# Altium PCB UVM AERO BSPD.PcbDoc (part 1 of 2)
Units mil, origin at the board's own origin, x right, y up, seen from the top; angles counter-clockwise.
Board outline 3235 x 3490 mil, 2 copper layers (Top Layer, Bottom Layer), stack 60.8 mil thick; 126 components, 66 nets, 329 pads, 91 vias.
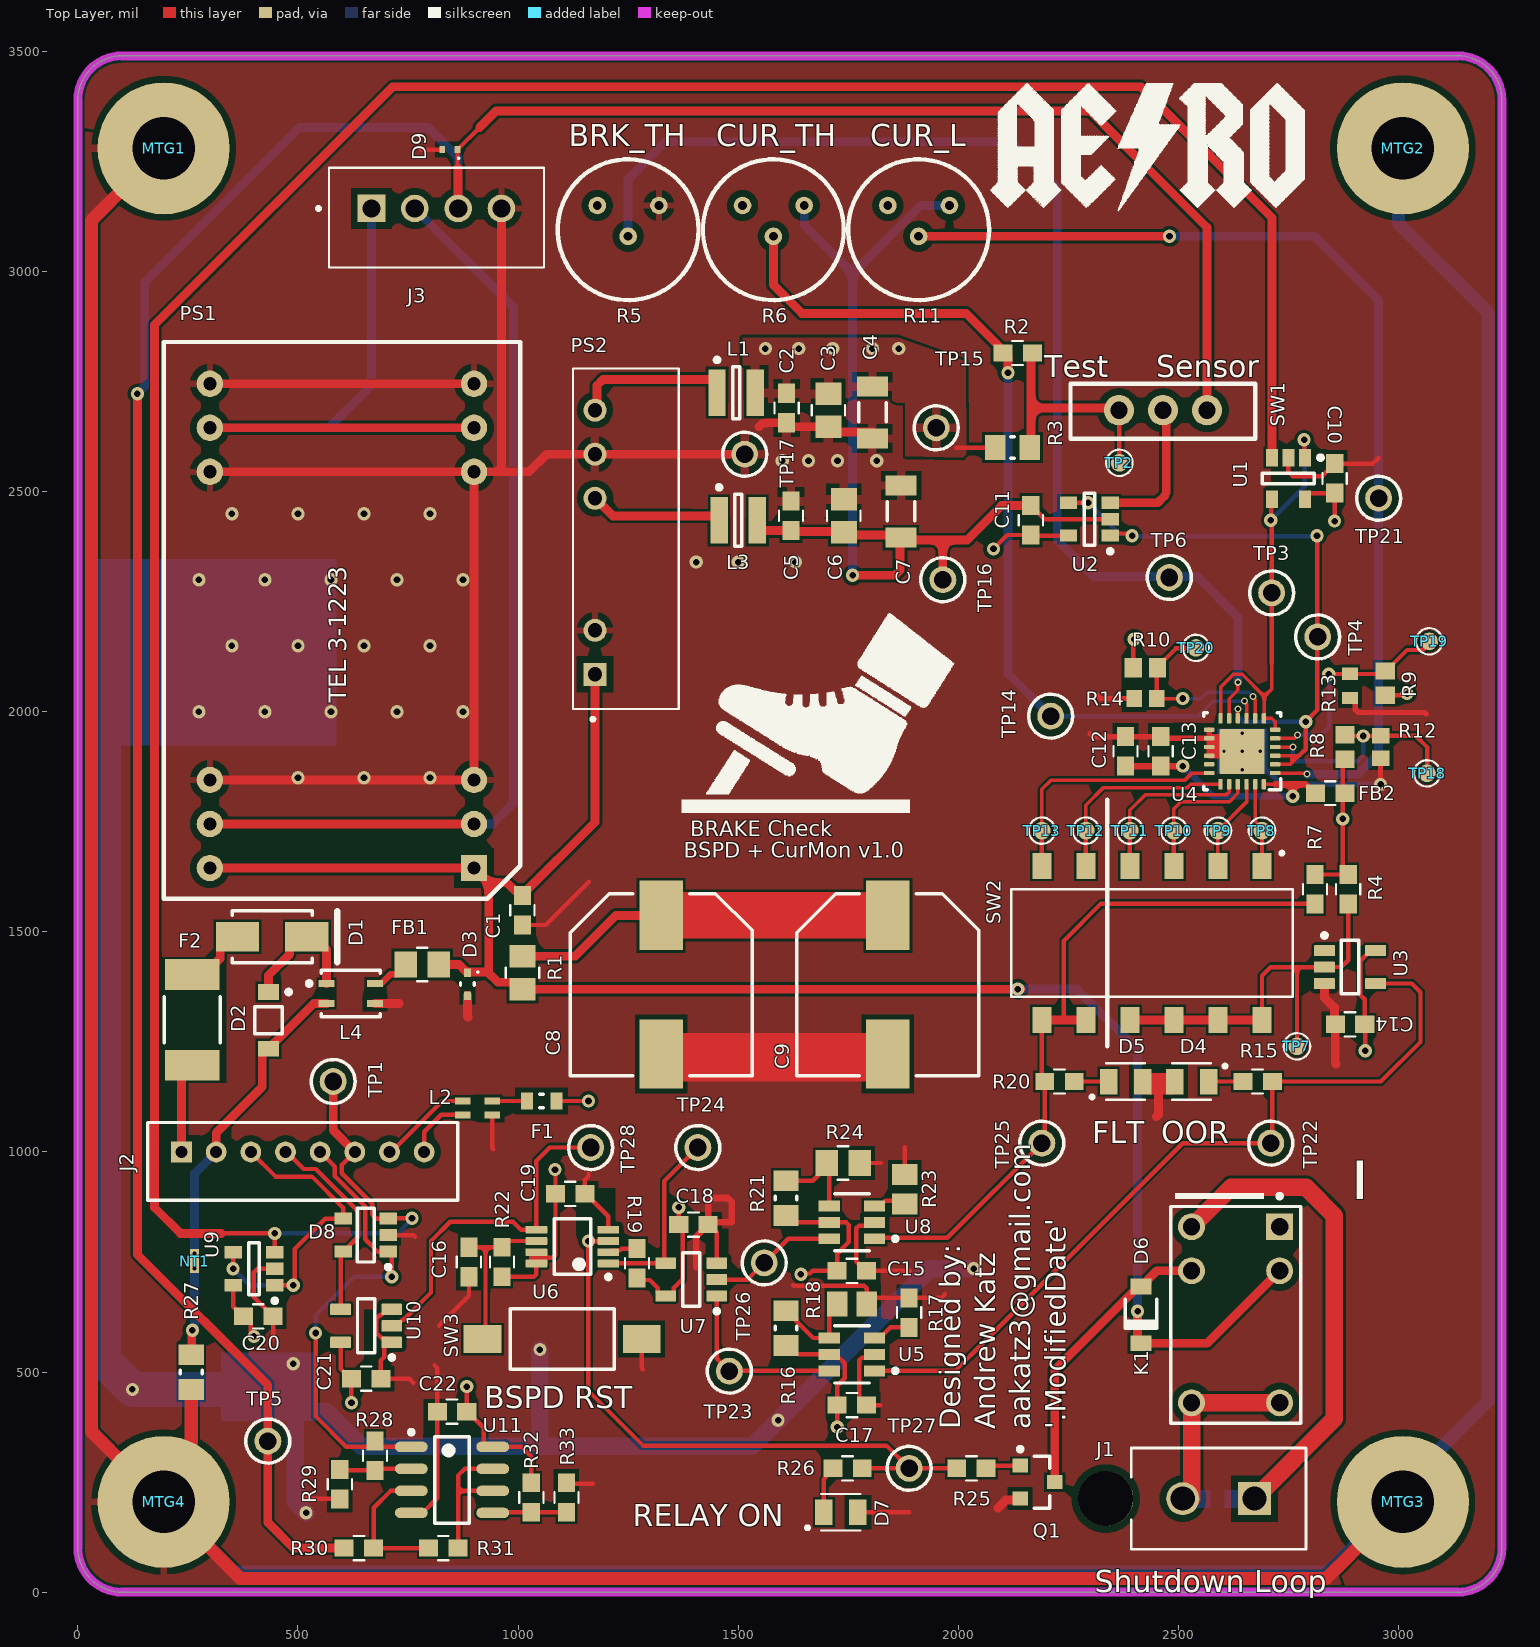
[diagram p0: Top Layer view]
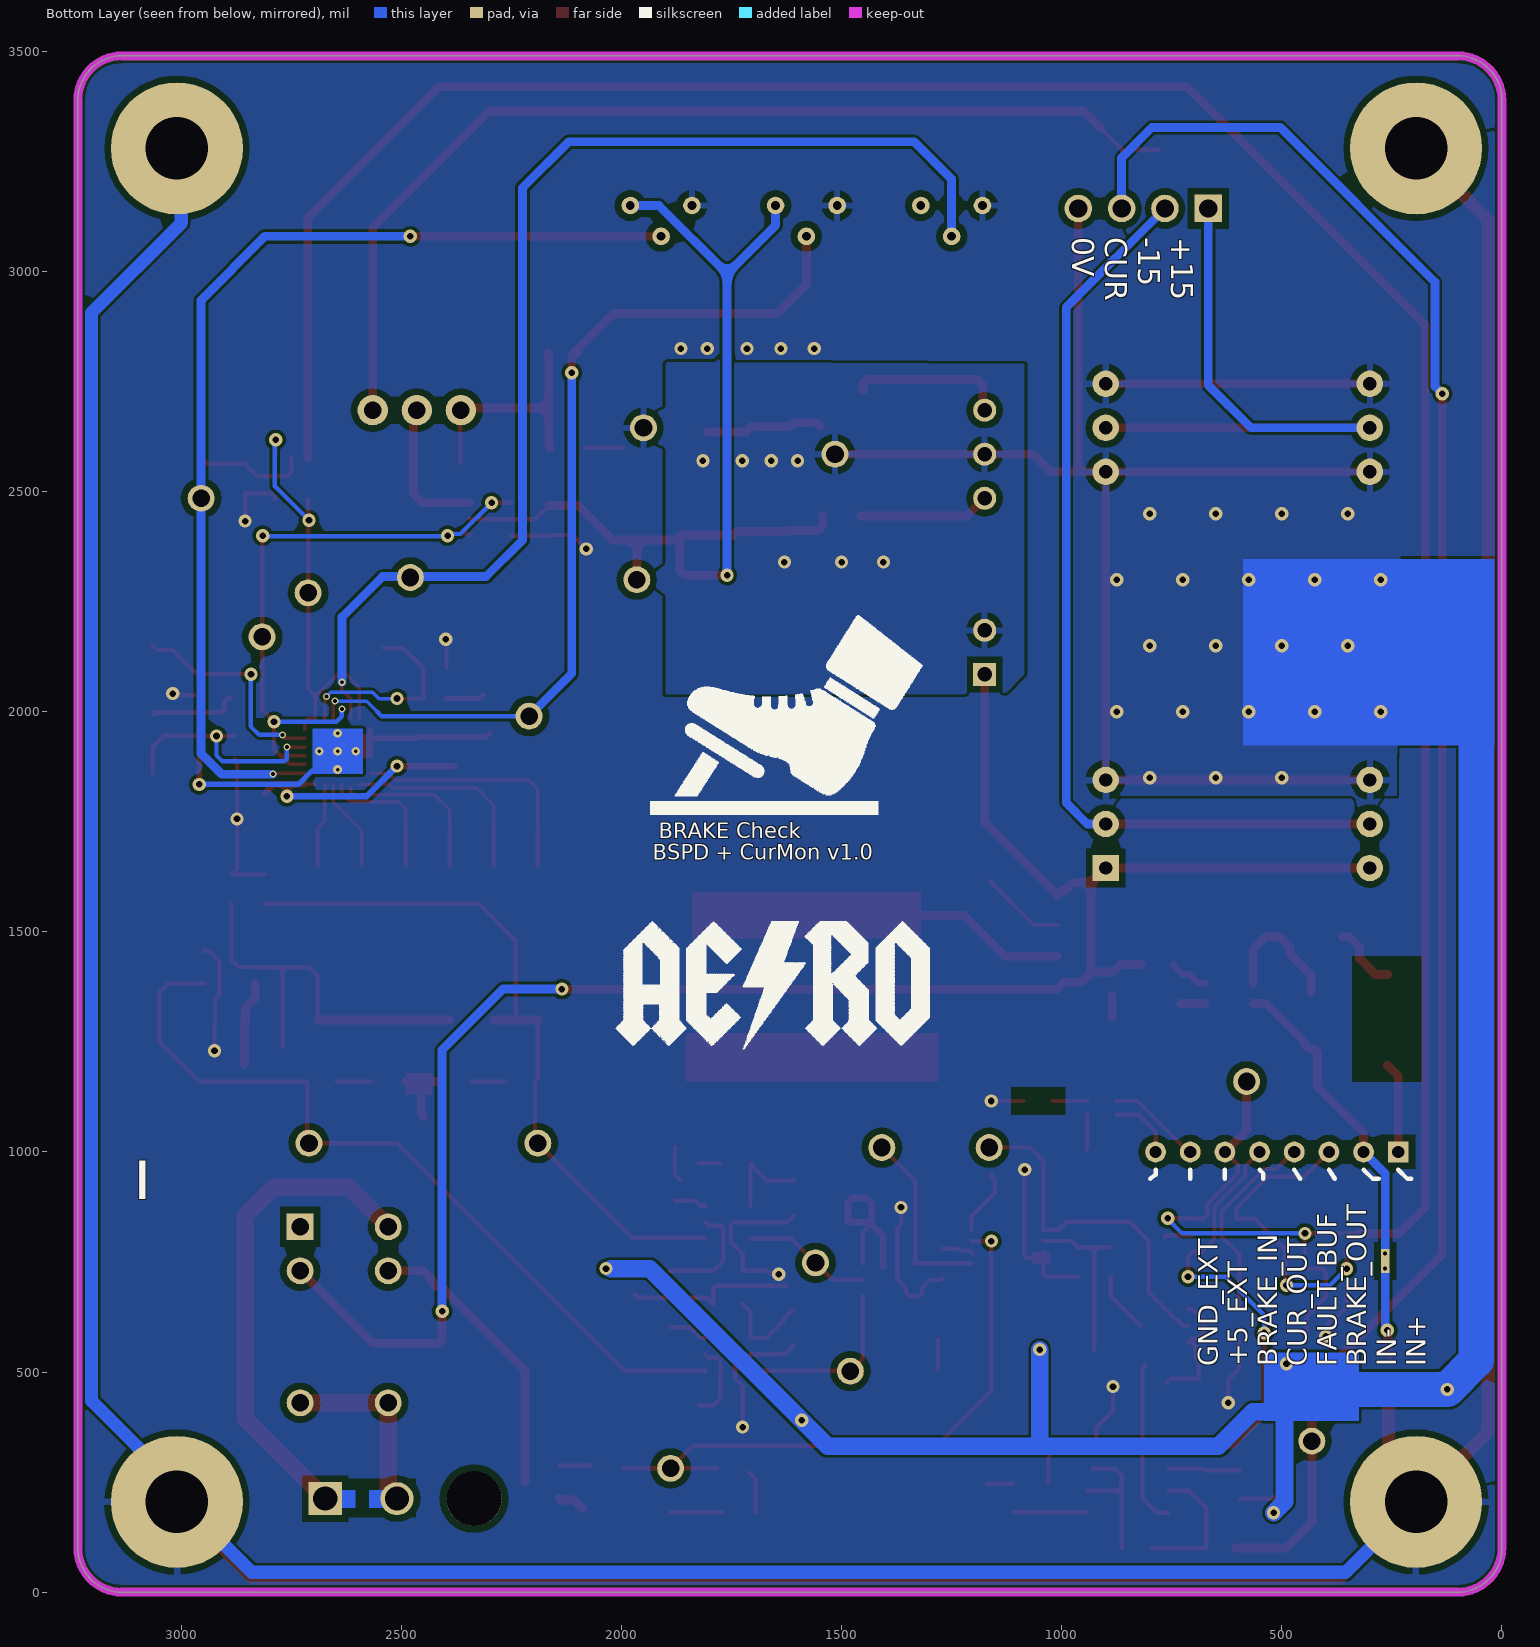
[diagram p1: Bottom Layer view, seen from below]
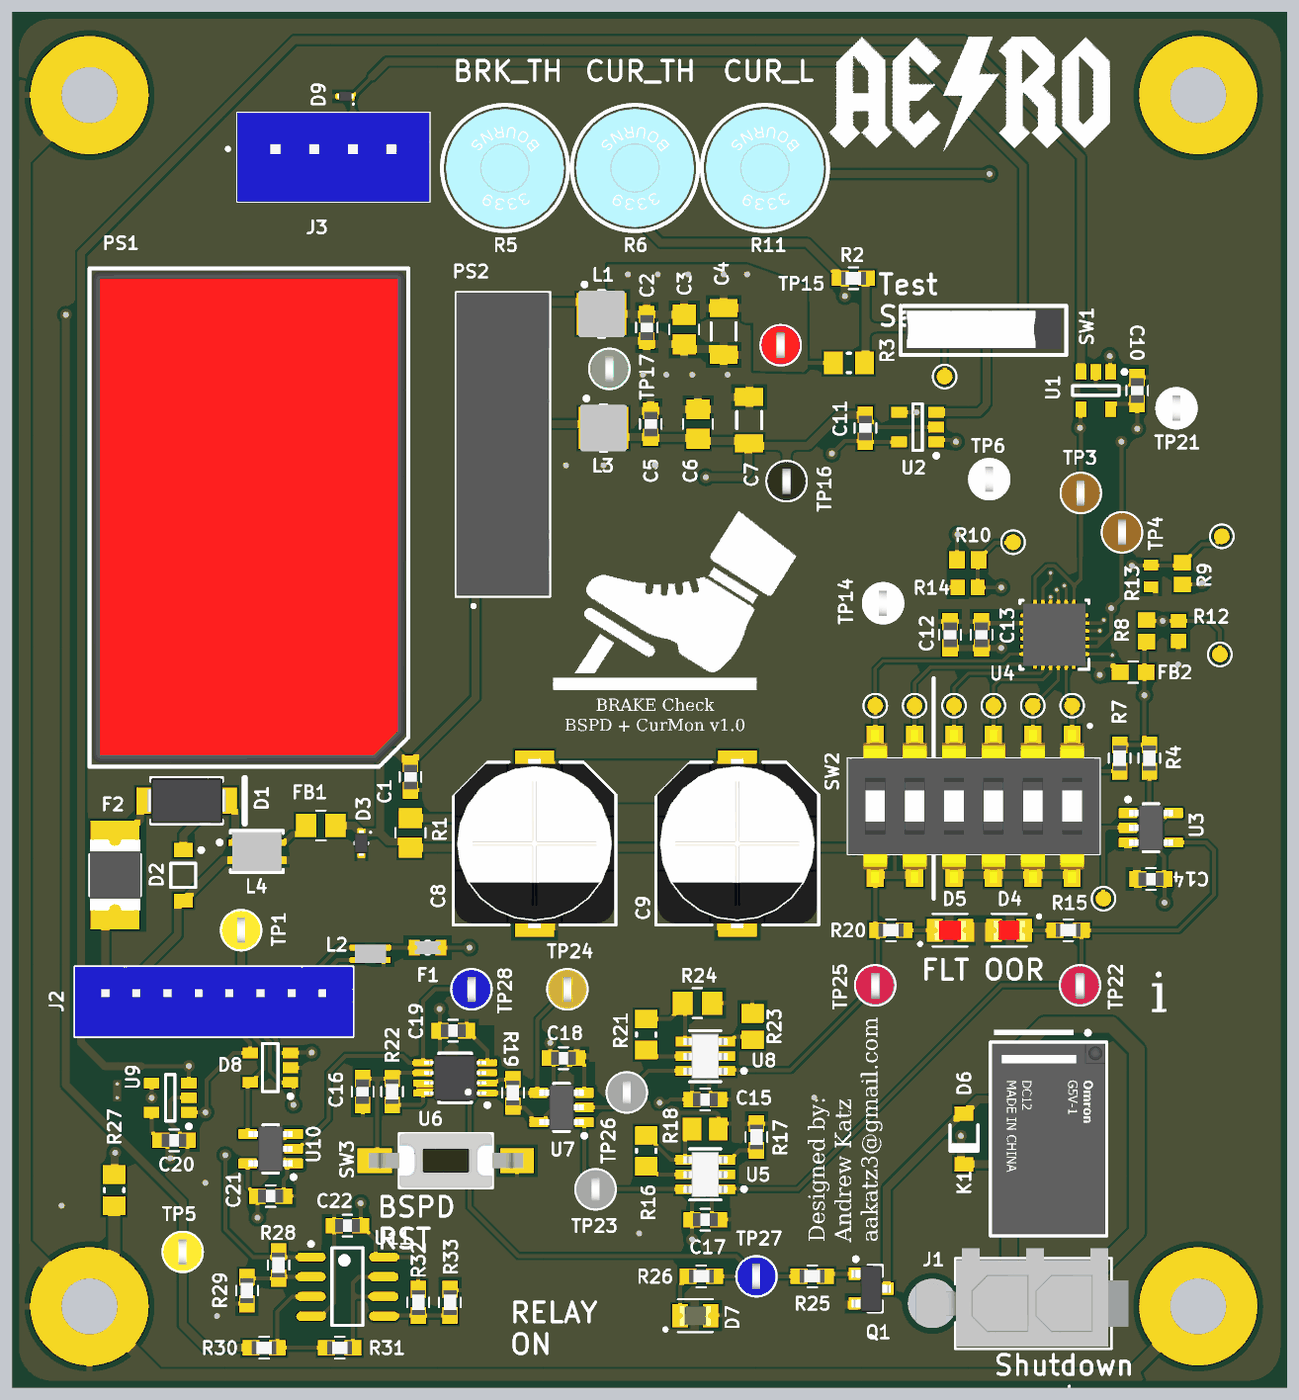
[diagram p3: 3D render of the assembled board from above, using the file's embedded part models]

## Layer stack, top to bottom
Top Solder: solder mask 1, SM-001, Dk 4
Top Layer: signal copper 1.4
Dielectric 1: core 58, FR-4, Dk 4.2
Bottom Layer: signal copper 1.4
Bottom Solder: solder mask 1, SM-001, Dk 4

## Board outline
3235,100 cw(c3135,100) 3135,0 100,0 cw(c100,100) 0,100 0,3390 cw(c100,3390) 100,3490 3135,3490 cw(c3135,3390) 3235,3390

## Design rules (kind name [scope] priority, off if disabled: settings)
AcuteAngle [All] p1: minimum=6.00000000000000E+0001 checktracksonly=FALSE
AssemblyTestPointUsage [All] p1: valid=2
AssemblyTestpoint [All] p1: testpointundercomponent=TRUE minsize=30 maxsize=100 preferedsize=60 minholesize=0 maxholesize=40 preferedholesize=32 testpointgrid=1 usegrid=FALSE gridtolerance=0.01 allowsidetop=TRUE allowsidebottom=TRUE
Clearance Clearance_1 [IsStitchingVia vs (OnLayer('Top Overlay'))] p1: gap=6 ignorepadtopadclearanceinfootprint=FALSE except(0: Arc-Hole Track-Hole SMDPad-Hole THPad-Hole Via-Hole Fill-Hole Poly-Hole Region-Hole Text-Hole; 10: Arc-THPad Arc-Text Track-THPad Track-Text SMDPad-THPad SMDPad-Text THPad-THPad THPad-Text Fill-Text Poly-Text Region-Text Text-Text; 15: Via-Text)
Clearance [All] p2: gap=6 ignorepadtopadclearanceinfootprint=FALSE except(0: Arc-Hole Track-Hole SMDPad-Hole THPad-Hole Via-Hole Fill-Hole Poly-Hole Region-Hole Text-Hole; 8: Via-Poly; 10: Arc-THPad Arc-Text Track-THPad Track-Text SMDPad-THPad SMDPad-Text THPad-THPad THPad-Via THPad-Fill THPad-Region THPad-Text Via-Text Fill-Text Poly-Text Region-Text Text-Text; 15: THPad-Poly)
ComponentClearance [All vs NOT HasFootprint('20MIL_TIE')] p1: gap=10 collisioncheckmode=3 verticalgap=10 showdistances=FALSE
FabricationTestPointUsage [All] p1: valid=2 allowmultiple=FALSE
FabricationTestpoint [All] p1: side=3 testpointundercomponent=TRUE minsize=20 maxsize=100 preferedsize=60 minholesize=0 maxholesize=40 preferedholesize=32 testpointgrid=1 allowsidetop=TRUE allowsidebottom=TRUE usegrid=FALSE gridtolerance=0.01
HoleSize [All] p1: absolutevalues=TRUE maxlimit=200 minlimit=7.87 maxpercent=80.000 minpercent=20.000
MinimumAnnularRing [All] p1: minimumring=3
MinimumSolderMaskSliver [All] p1: minsoldermaskwidth=1
PasteMaskExpansion PasteMaskExpansion_1 [IsSMTPin] p1: expansion=0
PasteMaskExpansion [All] p2: expansion=-1000
PolygonConnect PolygonConnect_1 [All vs IsNamedPolygon('TOP_GND') or IsNamedPolygon('BOT_+5')] p1: thpad.connectstyle=Relief thpad.reliefconductorwidth=15 thpad.reliefentries=4 thpad.polygonreliefangle="90 Angle" thpad.airgapwidth=15 smdpad.connectstyle=NoConnect smdpad.reliefconductorwidth=10 smdpad.reliefentries=4 smdpad.polygonreliefangle="90 Angle" smdpad.airgapwidth=10 via.connectstyle=Direct via.reliefconductorwidth=10 via.reliefentries=4 via.polygonreliefangle="90 Angle" via.airgapwidth=10
PolygonConnect PolygonConnect_3 [All vs IsNamedPolygon('+5_TOP')] p2: thpad.connectstyle=Relief thpad.reliefconductorwidth=20 thpad.reliefentries=4 thpad.polygonreliefangle="90 Angle" thpad.airgapwidth=20 smdpad.connectstyle=Relief smdpad.reliefconductorwidth=20 smdpad.reliefentries=4 smdpad.polygonreliefangle="90 Angle" smdpad.airgapwidth=10 via.connectstyle=Direct via.reliefconductorwidth=10 via.reliefentries=4 via.polygonreliefangle="90 Angle" via.airgapwidth=10
PolygonConnect PolygonConnect_2 [All vs IsNamedPolygon('GND_PSU')] p3: thpad.connectstyle=Relief thpad.reliefconductorwidth=20 thpad.reliefentries=4 thpad.polygonreliefangle="90 Angle" thpad.airgapwidth=20 smdpad.connectstyle=Relief smdpad.reliefconductorwidth=20 smdpad.reliefentries=4 smdpad.polygonreliefangle="90 Angle" smdpad.airgapwidth=20 via.connectstyle=Direct via.reliefconductorwidth=20 via.reliefentries=4 via.polygonreliefangle="90 Angle" via.airgapwidth=10
PolygonConnect [All] p4: thpad.connectstyle=Relief thpad.reliefconductorwidth=15 thpad.reliefentries=4 thpad.polygonreliefangle="90 Angle" thpad.airgapwidth=15 smdpad.connectstyle=Relief smdpad.reliefconductorwidth=10 smdpad.reliefentries=4 smdpad.polygonreliefangle="90 Angle" smdpad.airgapwidth=10 via.connectstyle=Direct via.reliefconductorwidth=10 via.reliefentries=4 via.polygonreliefangle="90 Angle" via.airgapwidth=10
RoutingVias [Not InAnyComponent] p1: holewidth=15 width=30 viastyle="Through Hole" minholewidth=8.27 minwidth=15.75 maxholewidth=50 maxwidth=100
SMDNeckDown [OnLayer('Top Layer')  and not InNetClass('PWR')  and not IsPad] p1: percent=95.000
SMDToCorner [All] p1: distance=10000
SMDToPlane [All] p1: distance=200000
SilkToSolderMaskClearance [IsPad     or IsVia] p1: minsilkscreentomaskgap=1.8 clearancetoexposedcopper=TRUE
SolderMaskExpansion Via [IsVia] p1: expansion=4 istentingtop=TRUE
SolderMaskExpansion [All] p2: expansion=2.5 istentingtop=FALSE
Width Width_1 [InNetClass('PWR')] p1: maxlimit=80 minlimit=10 preferedwidth=20 minimp=50.000000 maximp=50.000000 favimp=50.000000
Width [All] p2: maxlimit=100 minlimit=8 preferedwidth=10 minimp=50.000000 maximp=50.000000 favimp=50.000000
21 further rules are at their usual default settings.

## Classes and differential pairs
component class "U_Current Scaler": C22 R28 R29 R30 R31 R32 R33 U11
net class PWR_RAIL: +5 +5_EXT +12 +15 -5 -15 CHASS GND GND_EXT IN+ IN-
net class GND_RAIL: CHASS GND GND_EXT
net class HC: SHDN_IN SHDN_OUT
net class PWR: 12V_CAP +5 +5_EXT +5_EXT_F +5_OUT +12 +15 -5 -5_OUT -15 CHASS D+ FUSED GND GND_EXT IN+ IN- L+ SHDN_IN SHDN_OUT
component class U_Relay: D6 D7 K1 Q1 R25 R26 TP27
component class "U_IO and Connectors": C20 C21 D8 D9 J1 J2 J3 MTG1 MTG2 MTG3 MTG4 R27 TP28 U9 U10
component class "U_Power Supply": C1 C2 C3 C4 C5 C6 C7 C8 C9 D1 D2 D3 F1 F2 FB1 L1 L2 L3 L4 NT1 PS1 PS2 R1
component class U_LatchDelay: C15 C16 C17 C18 C19 D4 D5 R15 R16 R17 R18 R19 R20 R21 R22 R23 R24 SW3 TP22 TP23 TP24 TP25 TP26 U5 U6 U7 U8
component class U_Comparator: C10 C11 C12 C13 C14 FB2 R2 R3 R4 R5 R6 R7 R8 R9 R10 R11 R12 R13 R14 SW1 SW2 TP1 TP2 TP3 TP4 TP5 TP6 TP7 TP8 TP9 TP10 TP11 TP12 TP13 TP14 TP15 TP16 TP17 TP18 TP19 TP20 TP21 U1 U2 U3 U4

## Components (designator, comment, footprint, x,y, rotation, side; value= is the part's Value field where it differs from the comment)
C1 "CAP 0603 10UF 25V 20% X5R" 0603_CAP 1010,1549.02 r90 top value=10UF
C2 "CAP 0603 1UF 50V 10% X7R" 0603_CAP 1610,2690 r90 top value=1UF
C3 "CAP 0805 4.7UF 35V 10% X7R" 0805_CAP 1705,2685 r90 top value=4.7UF
C4 "CAP 47uF 10V 1206(3216)" CAPC1206(3216)190_N 1805,2680 r90 top value=47uF
C5 "CAP 0603 1UF 50V 10% X7R" 0603_CAP 1620,2445 r90 top value=1UF
C6 "CAP 0805 4.7UF 35V 10% X7R" 0805_CAP 1740,2445 r90 top value=4.7UF
C7 "CAP 47uF 10V 1206(3216)" CAPC1206(3216)190_N 1870,2455 r90 top value=47uF
C8 "UUD1V331MNL1GS" NIC-CAPA2-10X10_V 1325,1380 r270 top
C9 "UUD1V331MNL1GS" NIC-CAPA2-10X10_V 1840,1380 r270 top
C10 "CAP 0603 0.1UF 16V 10% X7R" 0603_CAP 2855,2530 r270 top value=0.1UF
C11 "CAP 0603 0.1UF 16V 10% X7R" 0603_CAP 2165,2435 r270 top value=0.1UF
C12 "CAP 0603 0.1UF 16V 10% X7R" 0603_CAP 2380,1910 r270 top value=0.1UF
C13 "CAP 0603 10UF 25V 20% X5R" 0603_CAP 2460,1910 r270 top value=10UF
C14 "CAP 0603 0.1UF 16V 10% X7R" 0603_CAP 2890,1290 r0 top value=0.1UF
C15 "CAP 0603 10UF 25V 20% X5R" 0603_CAP 1758.46,730 r180 top value=10UF
C16 "CAP 0603 1PF 50V 0.05PF MLO" 0603_CAP 888.46,750 r270 top value=1PF
C17 "CAP 0603 10UF 25V 20% X5R" 0603_CAP 1758.46,425 r180 top value=10UF
C18 "CAP 0603 0.1UF 16V 10% X7R" 0603_CAP 1398.46,835 r180 top value=0.1UF
C19 "CAP 0603 0.1UF 16V 10% X7R" 0603_CAP 1118.46,905 r180 top value=0.1UF
C20 "CAP 0603 0.1UF 16V 10% X7R" 0603_CAP 410,626.5 r180 top value=0.1UF
C21 "CAP 0603 0.1UF 16V 10% X7R" 0603_CAP 655,485 r180 top value=0.1UF
C22 "CAP 0603 0.1UF 16V 10% X7R" 0603_CAP 850,410 r0 top value=0.1UF
D1 "B340A-13-F" DIOD-SMA-2_V 441.57,1488.74 r0 top
D2 "SZMMSZ5243BT1G" ONSC-SOD-123-2-425-04_V 433,1299 r270 top
D3 "ESD5Z12T1G" ONSC-SOD-523-2-502-01_V 885,1381.12 r270 top
D4 "SM0805HCL" LEDC2012X135N_SM0805HCL(Primary) 2530,1160 r180 top
D5 "SM0805HCL" LEDC2012X135N_SM0805HCL(Primary) 2380,1160 r0 top
D6 "1N4148W-TP" MCC-SOD123_V 2415.28,630 r270 top
D7 "SM0805GCL" LEDC2012X135N_SM0805GCL(Primary) 1733.46,181.3 r0 top
D8 "SP0504BAHTG" SOT23127P600-8N 654,811 r180 top
D9 "DF2B6.8AFS" SOD923 845.22,3277 r180 top
F1 "MF-FSMF010X-2" MF-FSMF 1053.46,1115.75 r180 top
F2 "1812L050/30PR" LFUS-1812L05030PR 260,1300 r90 top
FB1 "Ferrite Chip 1500 Ohms" 0805 782.4,1425.75 r0 top
FB2 "Ferrite Chip 120 Ohms" 0603 2845,1815 r180 top
J1 "1-770872-0" CON2_1X2_P163_VM_ALT 2672.99,212.44 r180 top value=Value
J2 "B8B-PH-K-S(LF)(SN)" B8B-PH-K 511.1,978.35 r180 top locked
J3 "B4B-XH-A(LF)(SN)" B4B-XH-A(LF)(SN) 667.03,3143.31 r0 top
K1 "G5V-1-DC12" Omron_G5V-1-DC12_MFG 2630,630 r270 top
L1 "SRN3015-220M" SRN3015-2_V 1495.32,2724.5 r0 top
L2 "744231261" WE-CNSW-0805 908.17,1100 r180 top
L3 "SRN3015-220M" SRN3015-2_V 1500,2435 r0 top
L4 "ACP3225-102-2P-T000" TDK-ACP3225-102-2P-T000-4_V 620,1360 r0 top
MTG1 "PCB MTG M3" MTG-M3 195,3280 r0 top
MTG2 "PCB MTG M3" MTG-M3 3010,3280 r0 top
MTG3 "PCB MTG M3" MTG-M3 3010,205 r0 top
MTG4 "PCB MTG M3" MTG-M3 195,205 r0 top
NT1 "Net Tie" 20MIL_TIE 265.13,769.72 r270 top net-tie
PS1 "TEL 3-1223" "TEL 3-1223" 300,1645 r90 top locked
PS2 "NMK1205SC" NMV0505SC 1175,2085 r90 top locked
Q1 "2N7002-7-F" DIOD-SOT23-3_V 2180,250 r0 top
R1 "RES 0805 2 1%" 0805_RES 1010,1407.11 r90 top value=2
R2 "RES 0603 330K 1%" 0603_RES 2134.78,2815 r0 top value=330K
R3 "RT0805BRE071ML" RESC2013X60X35ML10T20 2123.19,2600 r180 top value=1M
R4 "RES 0603 10K 1%" 0603_RES 2885.86,1596.85 r90 top value=10K
R5 "3339H-1-103LF" 3339H-1-103LF 1180,3150 r0 top locked
R6 "3339H-1-103LF" 3339H-1-103LF 1510,3150 r0 top locked
R7 "RES 0603 10K 1%" 0603_RES 2810.5,1596.85 r270 top value=10K
R8 "RR0816P-301-D" RESC1608X50X30ML20T20 2878.5,1919.84 r270 top
R9 "RR0816P-183-D" RESC1608X50X30ML20T20 2970,2065 r270 top
R10 "RR0816P-301-D" RESC1608X50X30ML20T20 2425,2100 r180 top
R11 "3339H-1-103LF" 3339H-1-103LF 1840,3150 r0 top locked
R12 "RR0816P-272-D" RESC1608X50X30NL20T20 2960,1920 r90 top
R13 "RT0603DRE072KL" RESC1608X55X25NL10T15 2890,2058.88 r90 top
R14 "RR0816P-272-D" RESC1608X50X30NL20T20 2425,2030 r0 top
R15 "RES 0603 620 1%" 0603_RES 2680,1160 r180 top value=620
R16 "RT0805BRE071ML" RESC2013X60X35ML10T20 1608.46,600 r270 top value=1M
R17 "RES 0603 49.9K 0.1%" 0603_RES 1888.46,635 r270 top value=49.9K
R18 "ERA6AEB6813V" RESC2013X60X40NL20T25 1758.46,655 r0 top locked value=681k
R19 "RES 0603 200 1%" 0603_RES 1270.28,747.01 r270 top value=200
R20 "RES 0603 620 1%" 0603_RES 2230,1160 r0 top value=620
R21 "RT0805BRE071ML" RESC2013X60X35ML10T20 1608.46,895 r270 top value=1M
R22 "RES 0603 47K 1%" 0603_RES 963.46,750 r90 top value=47K
R23 "ERA6AEB6813V" RESC2013X60X40NL20T25 1878.46,915 r270 top value=681k
R24 "RES 0805 523K 0.1%" 0805_RES 1738.46,975 r0 top value=523K
R25 "RES 0603 200 1%" 0603_RES 2030,281.3 r0 top value=200
R26 "RES 0603 620 1%" 0603_RES 1748.46,281.3 r180 top value=620
R27 "RT0805BRE071ML" RESC2013X60X35ML10T20 257.6,500 r270 top value=1M
R28 "RES 0603 62.6K 0.1%" 0603_RES 675,310 r270 top value=62.6K
R29 "RES 0603 100K 0.1%" 0603_RES 595,245 r90 top value=100K
R30 "RES 0603 100K 0.1%" 0603_RES 638.46,100 r0 top value=100K
R31 "RES 0603 62.6K 0.1%" 0603_RES 830.31,100 r180 top value=62.6K
R32 "RES 0603 100K 0.1%" 0603_RES 1030,215 r90 top value=100K
R33 "RES 0603 100K 0.1%" 0603_RES 1110,215 r270 top value=100K
SW1 "CL-SA-12C-02" CL-SA-12C-02 2465,2685 r0 top locked
SW2 "DS04-254-2-06BK-SMT-TR" *SW_DS04-254-2-06BK-SMT-TR 2440,1474.8 r270 top
SW3 "FSMSMTR" TECO-FSMSMTR_V 1100,575 r0 top
TP1 "5004" KSTN-5004 580,1160 r0 top
TP2 "SMD Test Point" TP_40mil 2366.17,2565.46 r90 top
TP3 "5115" KSTN-5115 2712,2270 r0 top
TP4 "5115" KSTN-5115 2816.54,2170 r0 top
TP5 "5004" KSTN-5004 431.6,343.2 r0 top
TP6 "5002" KSTN-5002 2479.57,2305 r0 top
TP7 "SMD Test Point" TP_40mil 2769.53,1240 r90 top
TP8 "SMD Test Point" TP_40mil 2690,1730 r90 top
TP9 "SMD Test Point" TP_40mil 2590,1730 r90 top
TP10 "SMD Test Point" TP_40mil 2490,1730 r90 top
TP11 "SMD Test Point" TP_40mil 2390,1730 r90 top
TP12 "SMD Test Point" TP_40mil 2290,1730 r90 top
TP13 "SMD Test Point" TP_40mil 2190,1730 r90 top
TP14 "5002" KSTN-5002 2210,1990 r0 top
TP15 "5000" KSTN-5000 1950,2645 r0 top
TP16 "5001" KSTN-5001 1965,2300 r0 top
TP17 "5116" KSTN-5116 1515,2585 r0 top
TP18 "SMD Test Point" TP_40mil 3065,1860 r90 top locked
TP19 "SMD Test Point" TP_40mil 3070,2160 r90 top locked
TP20 "SMD Test Point" TP_40mil 2540,2145 r90 top locked
TP21 "5002" KSTN-5002 2955,2485 r0 top